# Altium PCB Board.PcbDoc
Units mil, origin at the board's own origin, x right, y up, seen from the top; angles counter-clockwise.
Board outline 6000 x 4000 mil, 2 copper layers (Top Layer, Bottom Layer); 47 components, 54 nets, 325 pads, 0 vias.
Unrouted connection lines stored in the file: 91.
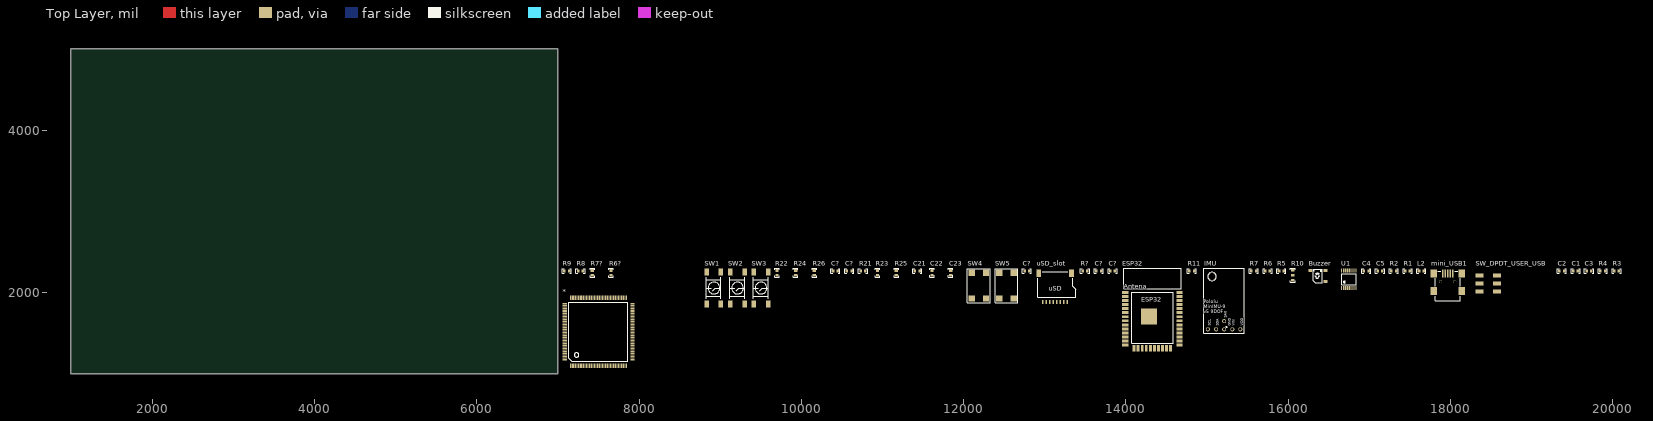
[diagram p0: Top Layer view]
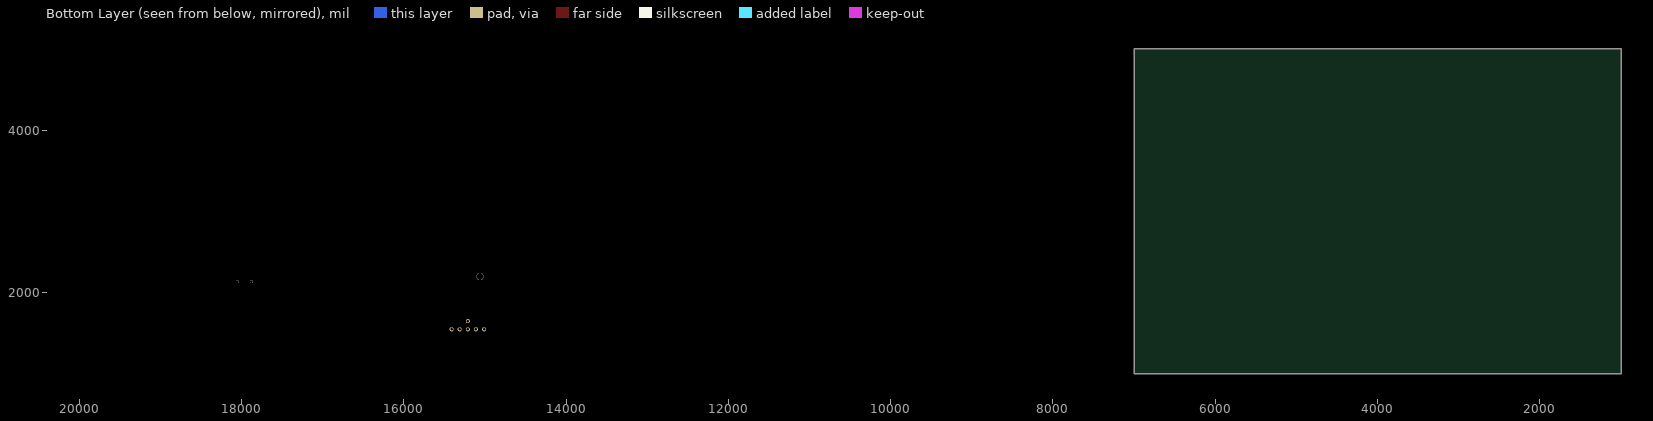
[diagram p1: Bottom Layer view, seen from below]

## Layer stack, top to bottom
Top Solder: solder mask 0.4, Solder Resist, Dk 3.5
Top Layer: signal copper 1.4
Dielectric 1: dielectric 12.6, FR-4, Dk 4.8
Bottom Layer: signal copper 1.4
Bottom Solder: solder mask 0.4, Solder Resist, Dk 3.5

## Board outline
1000,1000 7000,1000 7000,5000 1000,5000

## Design rules (kind name [scope] priority, off if disabled: settings)
Clearance [All] p1: gap=10
PolygonConnect [All] p1: connectstyle=Relief reliefconductorwidth=10 reliefentries=4 polygonreliefangle="90 Angle" airgapwidth=10
RoutingVias [All] p1: holewidth=28 width=50 viastyle="Through Hole" minholewidth=28 minwidth=50 maxholewidth=28 maxwidth=50
SolderMaskExpansion [All] p1: expansion=4
Width [All] p1: maxlimit=10 minlimit=10 preferedwidth=10
30 further rules are at their usual default settings.

## Classes and differential pairs
component class Board: * C? D21 D22 D23 LD1 LD2 LD3 LD4 LD5 LD6 T1 UART_RC_RECEIVER

## Components (designator, comment, footprint, x,y, rotation, side; value= is the part's Value field where it differs from the comment)
* "STM32F765ZIT6" LQFP144 7920,1170 r0 top
Buzzer "magnectic_buzzer" SMT-0540-S-R 16460,2270 r90 top
C1 "0u1" 0603 19510,2265 r0 top
C2 "10u" 0603 19340,2265 r0 top
C3 "0u1" 0603 19675,2265 r0 top
C4 "47p" 0603 16930,2265 r0 top
C5 "47p" 0603 17100,2265 r0 top
C21 "100n" 0603 11400,2265 r0 top
C22 "100n" 0603 11610,2210 r90 top
C23 "100n" 0603 11840,2210 r90 top
C? "0.1uF" 0603 10560,2265 r0 top
C? "0.1uF" 0603 10390,2265 r0 top
C? "0.1uF" 0603 13805,2265 r0 top
C? "22uF" 0603 13635,2265 r0 top
C? "0.1uF" 0603 12750,2265 r0 top
ESP32 "ESP-WROOM-32" ESP-WROOM-32 14325,1350 r0 top
IMU "MinIMU-9 v5 9DOF" "MinIMU-9 v5 9DOF - GOLDPINS" 15460,1495 r0 top
L2 "1u" R0603 17610,2265 r0 top
mini_USB1 "65100516121" 65100516121 17965,2080 r0 top
R1 "27" R0603 17440,2265 r0 top
R2 "27" R0603 17270,2265 r0 top
R3 "3k3" R0603 20015,2265 r0 top
R4 "220" R0603 19845,2265 r0 top
R5 "27" R0603 15885,2265 r0 top
R6 "1k" R0603 15715,2265 r0 top
R6? "220" R0603 7655,2210 r90 top
R7 "10k" R0603 15545,2265 r0 top
R7? "220" R0603 7425,2210 r90 top
R8 "220" R0603 7250,2265 r0 top
R9 "220" R0603 7080,2265 r0 top
R10 "10k" "R0603 - double" 16055,2210 r90 top
R11 "220" R0603 14780,2265 r0 top
R21 "10k" R0603 10730,2265 r0 top
R22 "330" R0603 9700,2210 r90 top
R23 "10k" R0603 10940,2210 r90 top
R24 "330" R0603 9930,2210 r90 top
R25 "10k" R0603 11170,2210 r90 top
R26 "330" R0603 10160,2210 r90 top
R? "10k" R0603 13465,2265 r0 top
SW1 "LEFT" "LSH Gullwing" 9010,2250 r90 top
SW2 "MIDDLE" "LSH Gullwing" 9300,2250 r90 top
SW3 "RIGHT" "LSH Gullwing" 9590,2250 r90 top
SW4 "RESET" TACT_SWITCH_SMD 12275,1925 r90 top
SW5 "BOOT" TACT_SWITCH_SMD 12615,1925 r90 top
SW_DPDT_USER_USB "DPDT_C&K" JS202011SCQN_C&K 18355,2010 r90 top
U1 "FT230XS" SSOP16 16835,2270 r0 top
uSD_slot "ATTEND 112K-TAA0-RA1" "ATTEND 112K-TAA0-RA1" 12910,2235 r0 top

## Footprints (in the part's own frame and the unit in brackets; to place one, negate y for a bottom-side part, rotate by r counter-clockwise, add the part's x,y. Pads: shape width x height; smd on the part's side, far side on the other; paste and mask are expansions set on the pad)
0603 [mm]
  rect 0.8x1 smd: 1(0,0) 2(1.5,0)
  silkscreen extent -0.67,-0.71 2.17,0.71, body extent -0.01,-0.43 1.59,0.43, height 0.83
65100516121 [mm] "Mini USB 2.0 Type B SMT Horizontal 5 Contacts"
  rect 0.5x2.5 smd: 1(-1.6,3.875) 2(-0.8,3.875) 3(0,3.875) 4(0.8,3.875) 5(1.6,3.875)
  round 0.9 hole 0.9 unplated: MH1(-2.2,1.275) MH2(2.2,1.275)
  rect 2x2.5 smd: Shell(-4.4,-1.625) Shell(-4.4,3.875) Shell(4.4,-1.625) Shell(4.4,3.875)
  silkscreen extent -3.85,-4.62 3.85,4.62, body extent -4.8,-4.62 4.8,4.63, height 3.92
"ATTEND 112K-TAA0-RA1" [mm]
  rect 0.42x1.3 smd: 1(9.3,-9) 2(8.2,-9) 3(7.1,-9) 4(6,-9) 5(4.9,-9) 6(3.8,-9) 7(2.7,-9) 8(1.6,-9)
  rect 1.5x2.4 smd: ""(0.37,0) ""(10.63,0)
  silkscreen extent 0,-7.5 12,0.5, body extent 0,-8.96 12.1,1, height 1.49
ESP-WROOM-32 [mm]
  rect 2x0.9 smd: 1(-8.5,16.51) 2(-8.5,15.24) 3(-8.5,13.97) 4(-8.5,12.7) 5(-8.5,11.43) 6(-8.5,10.16) 7(-8.5,8.89) 8(-8.5,7.62) 9(-8.5,6.35) 10(-8.5,5.08) 11(-8.5,3.81) 12(-8.5,2.54) 13(-8.5,1.27) 14(-8.5,0) 25(8.5,0) 26(8.5,1.27) 27(8.5,2.54) 28(8.5,3.81) 29(8.5,5.08) 30(8.5,6.35) 31(8.5,7.62) 32(8.5,8.89) 33(8.5,10.16) 34(8.5,11.43) 35(8.5,12.7) 36(8.5,13.97) 37(8.5,15.24) 38(8.5,16.51)
  rect 0.9x2 smd: 15(-5.715,-1) 16(-4.445,-1) 17(-3.175,-1) 18(-1.905,-1) 19(-0.635,-1) 20(0.635,-1) 21(1.905,-1) 22(3.175,-1) 23(4.445,-1) 24(5.715,-1)
  rect 5x5 smd: ""(-1,9.01)
  silkscreen extent -9,0.51 9,24, body extent -9,-1.5 9,24, height 2.91
JS202011SCQN_C&K [mm]
  rect 1.2x2.5 smd: 1(0,-5.5) 2(2.5,-5.5) 3(5,-5.5) 4(0,0) 5(2.5,0) 6(5,0)
  body extent -2,-6.55 7,0.95, height 5.52
LQFP144 [mm]
  rect 0.35x1.35 smd: 1(-19.375,-1.875) 2(-18.875,-1.875) 3(-18.375,-1.875) 4(-17.875,-1.875) 5(-17.375,-1.875) 6(-16.875,-1.875) 7(-16.375,-1.875) 8(-15.875,-1.875) 9(-15.375,-1.875) 10(-14.875,-1.875) 11(-14.375,-1.875) 12(-13.875,-1.875) 13(-13.375,-1.875) 14(-12.875,-1.875) 15(-12.375,-1.875) 16(-11.875,-1.875) 17(-11.375,-1.875) 18(-10.875,-1.875) 19(-10.375,-1.875) 20(-9.875,-1.875) 21(-9.375,-1.875) 22(-8.875,-1.875) 23(-8.375,-1.875) 24(-7.875,-1.875) 25(-7.375,-1.875) 26(-6.875,-1.875) 27(-6.375,-1.875) 28(-5.875,-1.875) 29(-5.375,-1.875) 30(-4.875,-1.875) 31(-4.375,-1.875) 32(-3.875,-1.875) 33(-3.375,-1.875) 34(-2.875,-1.875) 35(-2.375,-1.875) 36(-1.875,-1.875) 73(-1.875,19.375) 74(-2.375,19.375) 75(-2.875,19.375) 76(-3.375,19.375) 77(-3.875,19.375) 78(-4.375,19.375) 79(-4.875,19.375) 80(-5.375,19.375) 81(-5.875,19.375) 82(-6.375,19.375) 83(-6.875,19.375) 84(-7.375,19.375) 85(-7.875,19.375) 86(-8.375,19.375) 87(-8.875,19.375) 88(-9.375,19.375) 89(-9.875,19.375) 90(-10.375,19.375) 91(-10.875,19.375) 92(-11.375,19.375) 93(-11.875,19.375) 94(-12.375,19.375) 95(-12.875,19.375) 96(-13.375,19.375) 97(-13.875,19.375) 98(-14.375,19.375) 99(-14.875,19.375) 100(-15.375,19.375) 101(-15.875,19.375) 102(-16.375,19.375) 103(-16.875,19.375) 104(-17.375,19.375) 105(-17.875,19.375) 106(-18.375,19.375) 107(-18.875,19.375) 108(-19.375,19.375)
  rect 1.35x0.35 smd: 37(0,0) 38(0,0.5) 39(0,1) 40(0,1.5) 41(0,2) 42(0,2.5) 43(0,3) 44(0,3.5) 45(0,4) 46(0,4.5) 47(0,5) 48(0,5.5) 49(0,6) 50(0,6.5) 51(0,7) 52(0,7.5) 53(0,8) 54(0,8.5) 55(0,9) 56(0,9.5) 57(0,10) 58(0,10.5) 59(0,11) 60(0,11.5) 61(0,12) 62(0,12.5) 63(0,13) 64(0,13.5) 65(0,14) 66(0,14.5) 67(0,15) 68(0,15.5) 69(0,16) 70(0,16.5) 71(0,17) 72(0,17.5) 109(-21.25,17.5) 110(-21.25,17) 111(-21.25,16.5) 112(-21.25,16) 113(-21.25,15.5) 114(-21.25,15) 115(-21.25,14.5) 116(-21.25,14) 117(-21.25,13.5) 118(-21.25,13) 119(-21.25,12.5) 120(-21.25,12) 121(-21.25,11.5) 122(-21.25,11) 123(-21.25,10.5) 124(-21.25,10) 125(-21.25,9.5) 126(-21.25,9) 127(-21.25,8.5) 128(-21.25,8) 129(-21.25,7.5) 130(-21.25,7) 131(-21.25,6.5) 132(-21.25,6) 133(-21.25,5.5) 134(-21.25,5) 135(-21.25,4.5) 136(-21.25,4) 137(-21.25,3.5) 138(-21.25,3) 139(-21.25,2.5) 140(-21.25,2) 141(-21.25,1.5) 142(-21.25,1) 143(-21.25,0.5) 144(-21.25,0)
  silkscreen extent -20,-0.5 -1.5,18, body extent -21.62,-2.25 0.38,19.75, height 2
"LSH Gullwing" [mm]
  rect 2.1x1.4 smd: 1(-10,4.5) 2(0,4.5) 3(-10,0) 4(0,0)
  silkscreen extent -8.4,0 -1.6,4.6, body extent -10,-0.75 0,5.25, height 4.97
"MinIMU-9 v5 9DOF - GOLDPINS" [mil]
  round 50 hole 30: 1(-450,50) 2(-350,50) 3(-250,50) 4(-150,50) 5(-50,50) 6(-250,150)
  round 90 hole 90: 7(-400,700)
  silkscreen extent -500,0 0,800, body extent -500,0 0,800, height 336
R0603 [mm]
  rect 0.8x1 smd: 1(0,0) 2(1.5,0)
  silkscreen extent -0.67,-0.71 2.17,0.71, body extent -0.04,-0.43 1.56,0.43, height 0.48
"R0603 - double" [mil]
  rect 31x38 smd: 1(-63,0) 2(0,0) 3(62.99,0)
  silkscreen extent -88,-28 87,28, body extent -64,-17 67,17, height 19
SMT-0540-S-R [mm]
  rect 1x1.2 smd: 1(0,4.8) 2(0,0) ""(-3.5,0)
  silkscreen extent -3.8,1 0.4,3.9, body extent -4.25,-0.4 0.75,5.1, height 2.11
SSOP16 [mm]
  rect 0.42x1.3 smd: 1(-4.55,-5.5) 2(-3.9,-5.5) 3(-3.25,-5.5) 4(-2.6,-5.5) 5(-1.95,-5.5) 6(-1.3,-5.5) 7(-0.65,-5.5) 8(0,-5.5) 9(0,0) 10(-0.65,0) 11(-1.3,0) 12(-1.95,0) 13(-2.6,0) 14(-3.25,0) 15(-3.9,0) 16(-4.55,0)
  silkscreen extent -4.5,-4.5 0,-1, body extent -4.91,-6 0.39,0.46, height 1.65
TACT_SWITCH_SMD [mm]
  rect 2x2 smd: 1(0,4.5) 1(8,4.5) 2(0,0) 2(8,0)
  silkscreen extent -1.3,-1.3 9.3,5.8, body extent 0.4,-0.95 7.6,5.55, height 2.5

## Part data
C1 C2 C3 C4 C5 C21 C22 C23 C? C? C? C? C?: library part Cap
L2: library part L
mini_USB1: "Mini USB 2.0 Type B Receptacle WR-COM, Horizontal, SMT, with Pads and Pegs"
R1 R2 R3 R4 R5 R6 R6? R7 R7? R8 R9 R11 R21 R22 R23 R24 R25 R26 R?: library part Res
R10: library part Res_2_way
SW1 SW2 SW3: library part Tact_Switch_Simply
SW4 SW5: library part "single state switch"
U1: library part FT230XS_ON_BOARD

## Nets (pads, with @x,y where several pads share a name; then routed paths per layer and width w, separated by ;. In a path a pad name is that pad's centre, name@x,y a point inside that pad or via, vN(x,y) a via of type N, cw(c..) or ccw(c..) an arc to the next point about the centre after c; other vN are vias at no path point)
GND: C1.1 C2.1 C3.2 C4.2 C5.2 C21.2 C22.2 C23.2 C?.1@13635,2265 C?.1@13805,2265 C?.2@10449.06,2265 C?.2@10619.06,2265 C?.2@12809.06,2265 ESP32.1 ESP32.15 ESP32.38 IMU.3 mini_USB1.4 mini_USB1.5 R3.2 R7.1 R10.3 R11.2 R22.1 R24.1 R26.1 SW4.1 SW5.1 U1.5 U1.13 uSD_slot.6
NetBuzzer_1: Buzzer.1 R5.1
NetC1_2: C1.2 L2.1 mini_USB1.1
NetC2_2: C2.2 L2.2 U1.12
NetC3_1: C3.1 U1.3 U1.10 U1.11
NetC4_1: C4.1 mini_USB1.2 R1.2
NetC5_1: C5.1 mini_USB1.3 R2.2
NetC21_1: C21.1 R21.1 SW1.1 SW1.2
NetC22_1: C22.1 R23.1 SW2.1 SW2.2
NetC23_1: C23.1 R25.1 SW3.1 SW3.2
NetC?_1: C?.1@10560,2265 ESP32.25 SW5.2
NetESP32_6: ESP32.6 R6?.1
NetESP32_7: ESP32.7 R7?.1
NetESP32_8: ESP32.8 R8.1
NetESP32_9: ESP32.9 R9.1
NetESP32_24: ESP32.24 ESP32.28
NetESP32_26: ESP32.26 ESP32.27
NetESP32_29: ESP32.29 uSD_slot.2
NetESP32_30: ESP32.30 uSD_slot.5
NetESP32_31: ESP32.31 uSD_slot.7
NetESP32_33: ESP32.33
NetESP32_34: ESP32.34 SW_DPDT_USER_USB.6
NetESP32_35: ESP32.35 SW_DPDT_USER_USB.3
NetESP32_36: ESP32.36
NetESP32_37: ESP32.37 uSD_slot.3
NetIMU_1: IMU.1
NetIMU_2: IMU.2
NetIMU_5: IMU.5 R10.1
NetIMU_6: IMU.6 R10.2
NetLD1_2: R4.1
NetLD2_2: R11.1
NetLD3_1: R6?.2
NetLD4_1: R7?.2
NetLD5_1: R8.2
NetLD6_1: R9.2
NetR1_1: R1.1 U1.9
NetR2_1: R2.1 U1.8
NetR3_1: R3.1 R4.2 U1.15
NetR5_2: R5.2
NetR6_1: R6.1
NetR6_2: R6.2 R7.2
NetR22_2: R22.2 SW1.3 SW1.4
NetR24_2: R24.2 SW2.3 SW2.4
NetR26_2: R26.2 SW3.3 SW3.4
NetSW_DPDT_USER_USB_1: SW_DPDT_USER_USB.1
NetSW_DPDT_USER_USB_2: SW_DPDT_USER_USB.2 U1.4
NetSW_DPDT_USER_USB_4: SW_DPDT_USER_USB.4
NetSW_DPDT_USER_USB_5: SW_DPDT_USER_USB.5 U1.1
NetUART_RC_RECEIVER_3: 
NetUART_RC_RECEIVER_4: 
NetuSD_slot_1: uSD_slot.1
NetuSD_slot_8: uSD_slot.8
VCC_3V3: Buzzer.2 C?.2@13694.06,2265 C?.2@13864.06,2265 ESP32.2 R21.2 R23.2 R25.2 R?.2 uSD_slot.4
VCC_5V: IMU.4
pads on no net: *.1 *.2 *.3 *.4 *.5 *.6 *.7 *.8 *.9 *.10 *.11 *.12 *.13 *.14 *.15 *.16 *.17 *.18 *.19 *.20 *.21 *.22 *.23 *.24 *.25 *.26 *.27 *.28 *.29 *.30 *.31 *.32 *.33 *.34 *.35 *.36 *.37 *.38 *.39 *.40 *.41 *.42 *.43 *.44 *.45 *.46 *.47 *.48 *.49 *.50 *.51 *.52 *.53 *.54 *.55 *.56 *.57 *.58 *.59 *.60 *.61 *.62 *.63 *.64 *.65 *.66 *.67 *.68 *.69 *.70 *.71 *.72 *.73 *.74 *.75 *.76 *.77 *.78 *.79 *.80 *.81 *.82 *.83 *.84 *.85 *.86 *.87 *.88 *.89 *.90 *.91 *.92 *.93 *.94 *.95 *.96 *.97 *.98 *.99 *.100 *.101 *.102 *.103 *.104 *.105 *.106 *.107 *.108 *.109 *.110 *.111 *.112 *.113 *.114 *.115 *.116 *.117 *.118 *.119 *.120 *.121 *.122 *.123 *.124 *.125 *.126 *.127 *.128 *.129 *.130 *.131 *.132 *.133 *.134 *.135 *.136 *.137 *.138 *.139 *.140 *.141 *.142 *.143 *.144 Buzzer. C?.1@10390,2265 C?.1@12750,2265 ESP32. ESP32.3 ESP32.4 ESP32.5 ESP32.10 ESP32.11 ESP32.12 ESP32.13 ESP32.14 ESP32.16 ESP32.17 ESP32.18 ESP32.19 ESP32.20 ESP32.21 ESP32.22 ESP32.23 ESP32.32 IMU.7 mini_USB1.MH1 mini_USB1.MH2 mini_USB1.Shell R?.1 SW4.2 U1.2 U1.6 U1.7 U1.14 U1.16 uSD_slot.

## Text inside footprints (layer, text, board x,y; h text height)
ESP32: Top Overlay "Antena" at 13970.67,2046.85 h60
IMU: Top Overlay "Pololu  / MinIMU-9  / v5 9DOF" at 14960,1745 h40; Top Overlay "SCL" at 15042,1588 h30 r90; Top Overlay "SDA" at 15142,1588 h30 r90; Top Overlay "GND" at 15292,1588 h30 r90; Top Overlay "VIN" at 15342,1588 h30 r90; Top Overlay "VDD" at 15442,1588 h30 r90; Top Overlay "SA0" at 15242,1688 h30 r90
uSD_slot: Top Overlay "uSD" at 13045.83,2020.43 h60